# Altium PCB Motherboard_PCB_Trimmed.PcbDoc (part 1 of 5)
Units mm, origin at the board's own origin, x right, y up, seen from the top; angles counter-clockwise.
Board outline 167.96 x 167.95 mm, 6 copper layers (Top, VCC, VS, Internal, GND, Bottom), stack 1.797 mm thick; 578 components, 549 nets, 2587 pads, 1599 vias.
Unrouted connection lines stored in the file: 2.
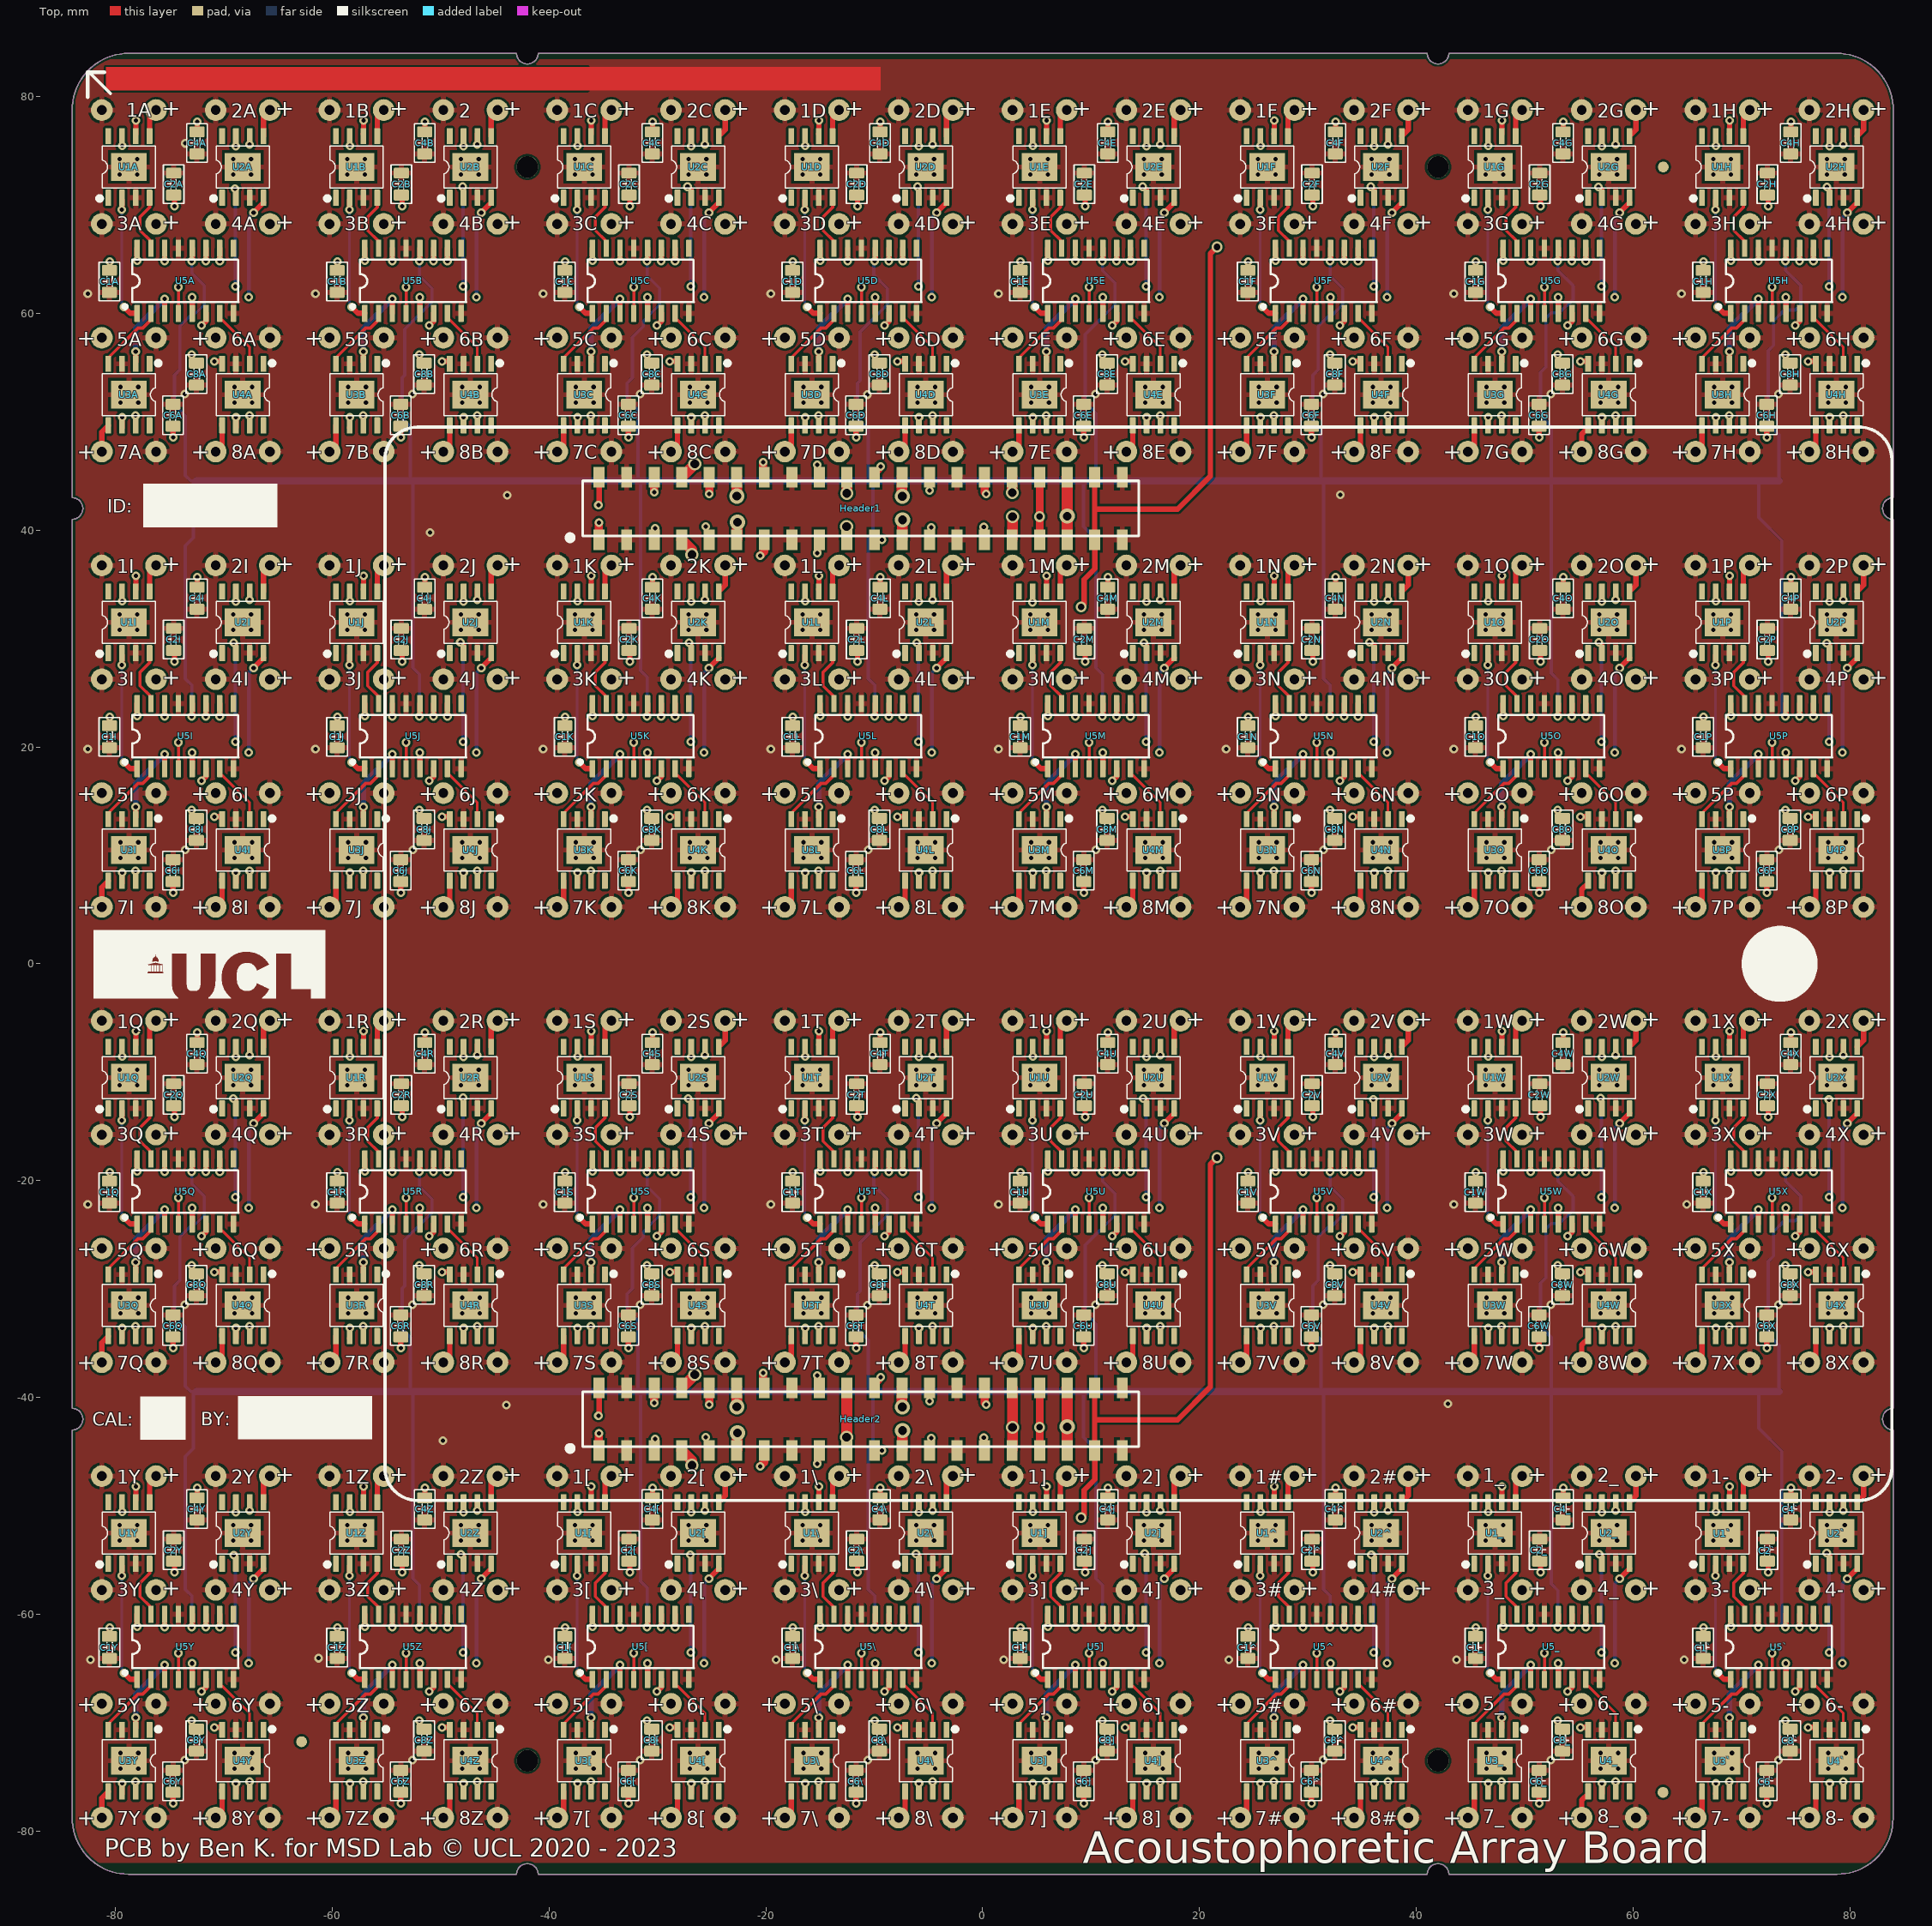
[diagram p0: Top view]
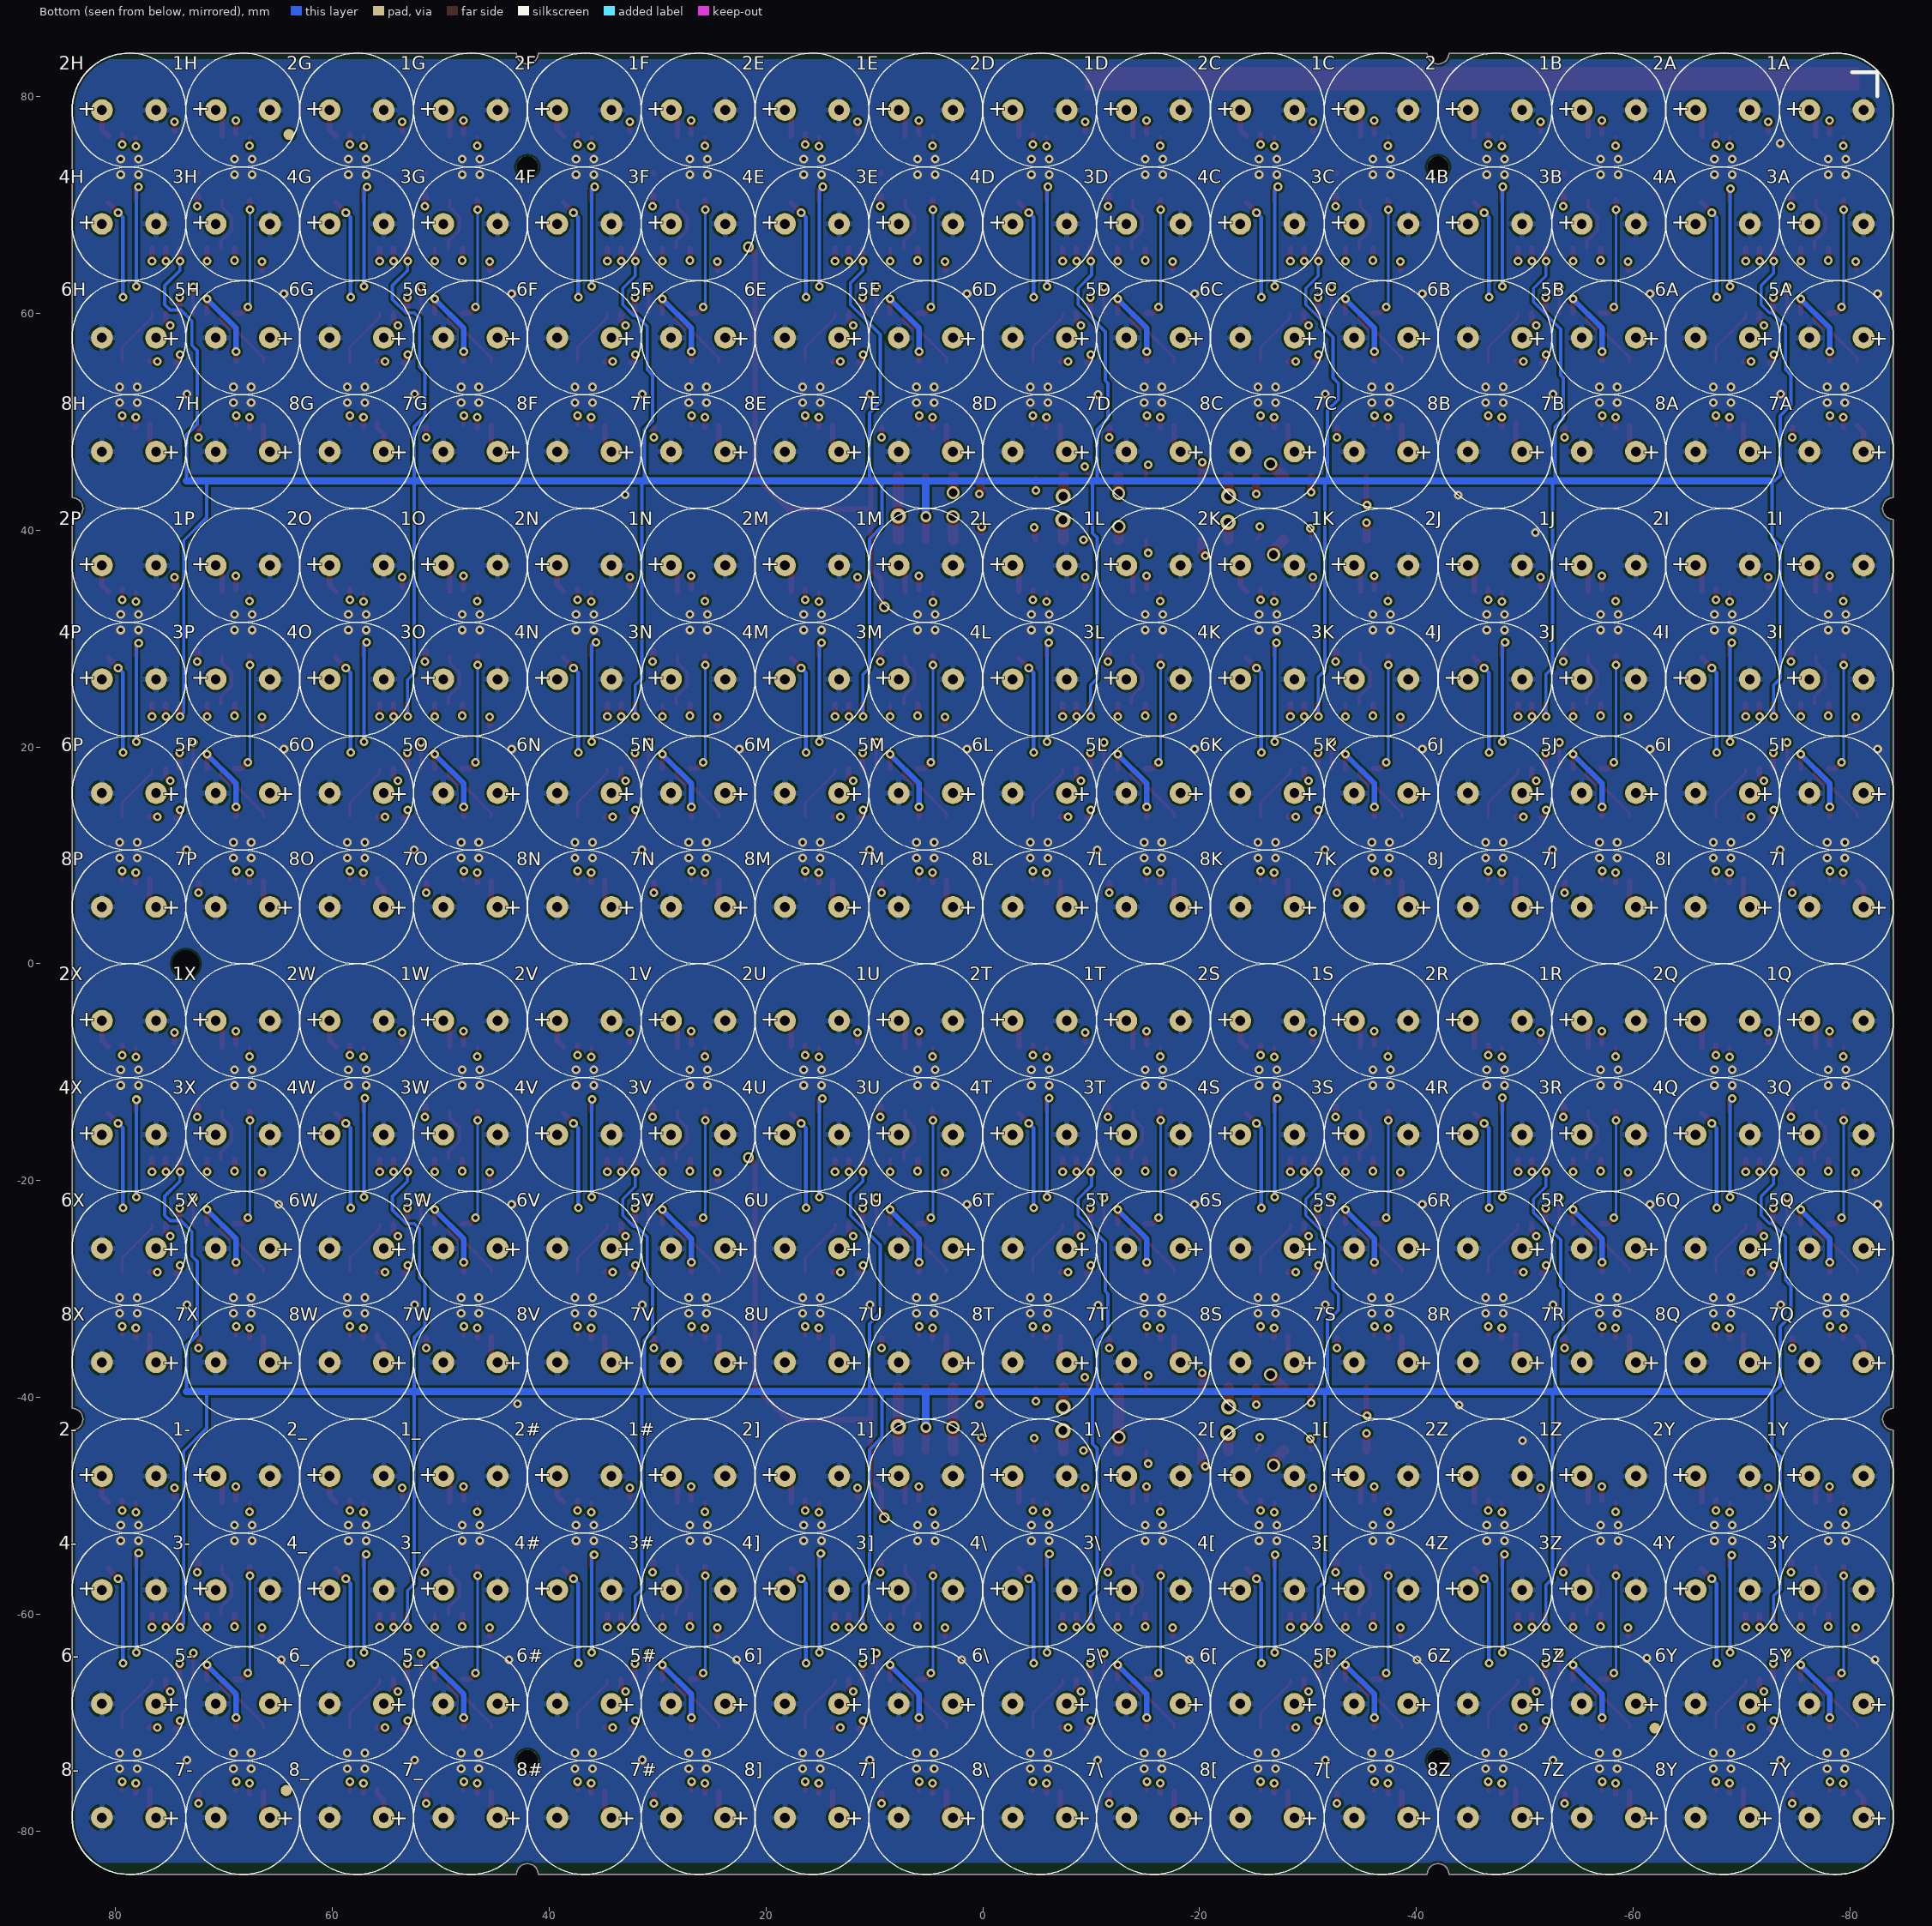
[diagram p1: Bottom view, seen from below]
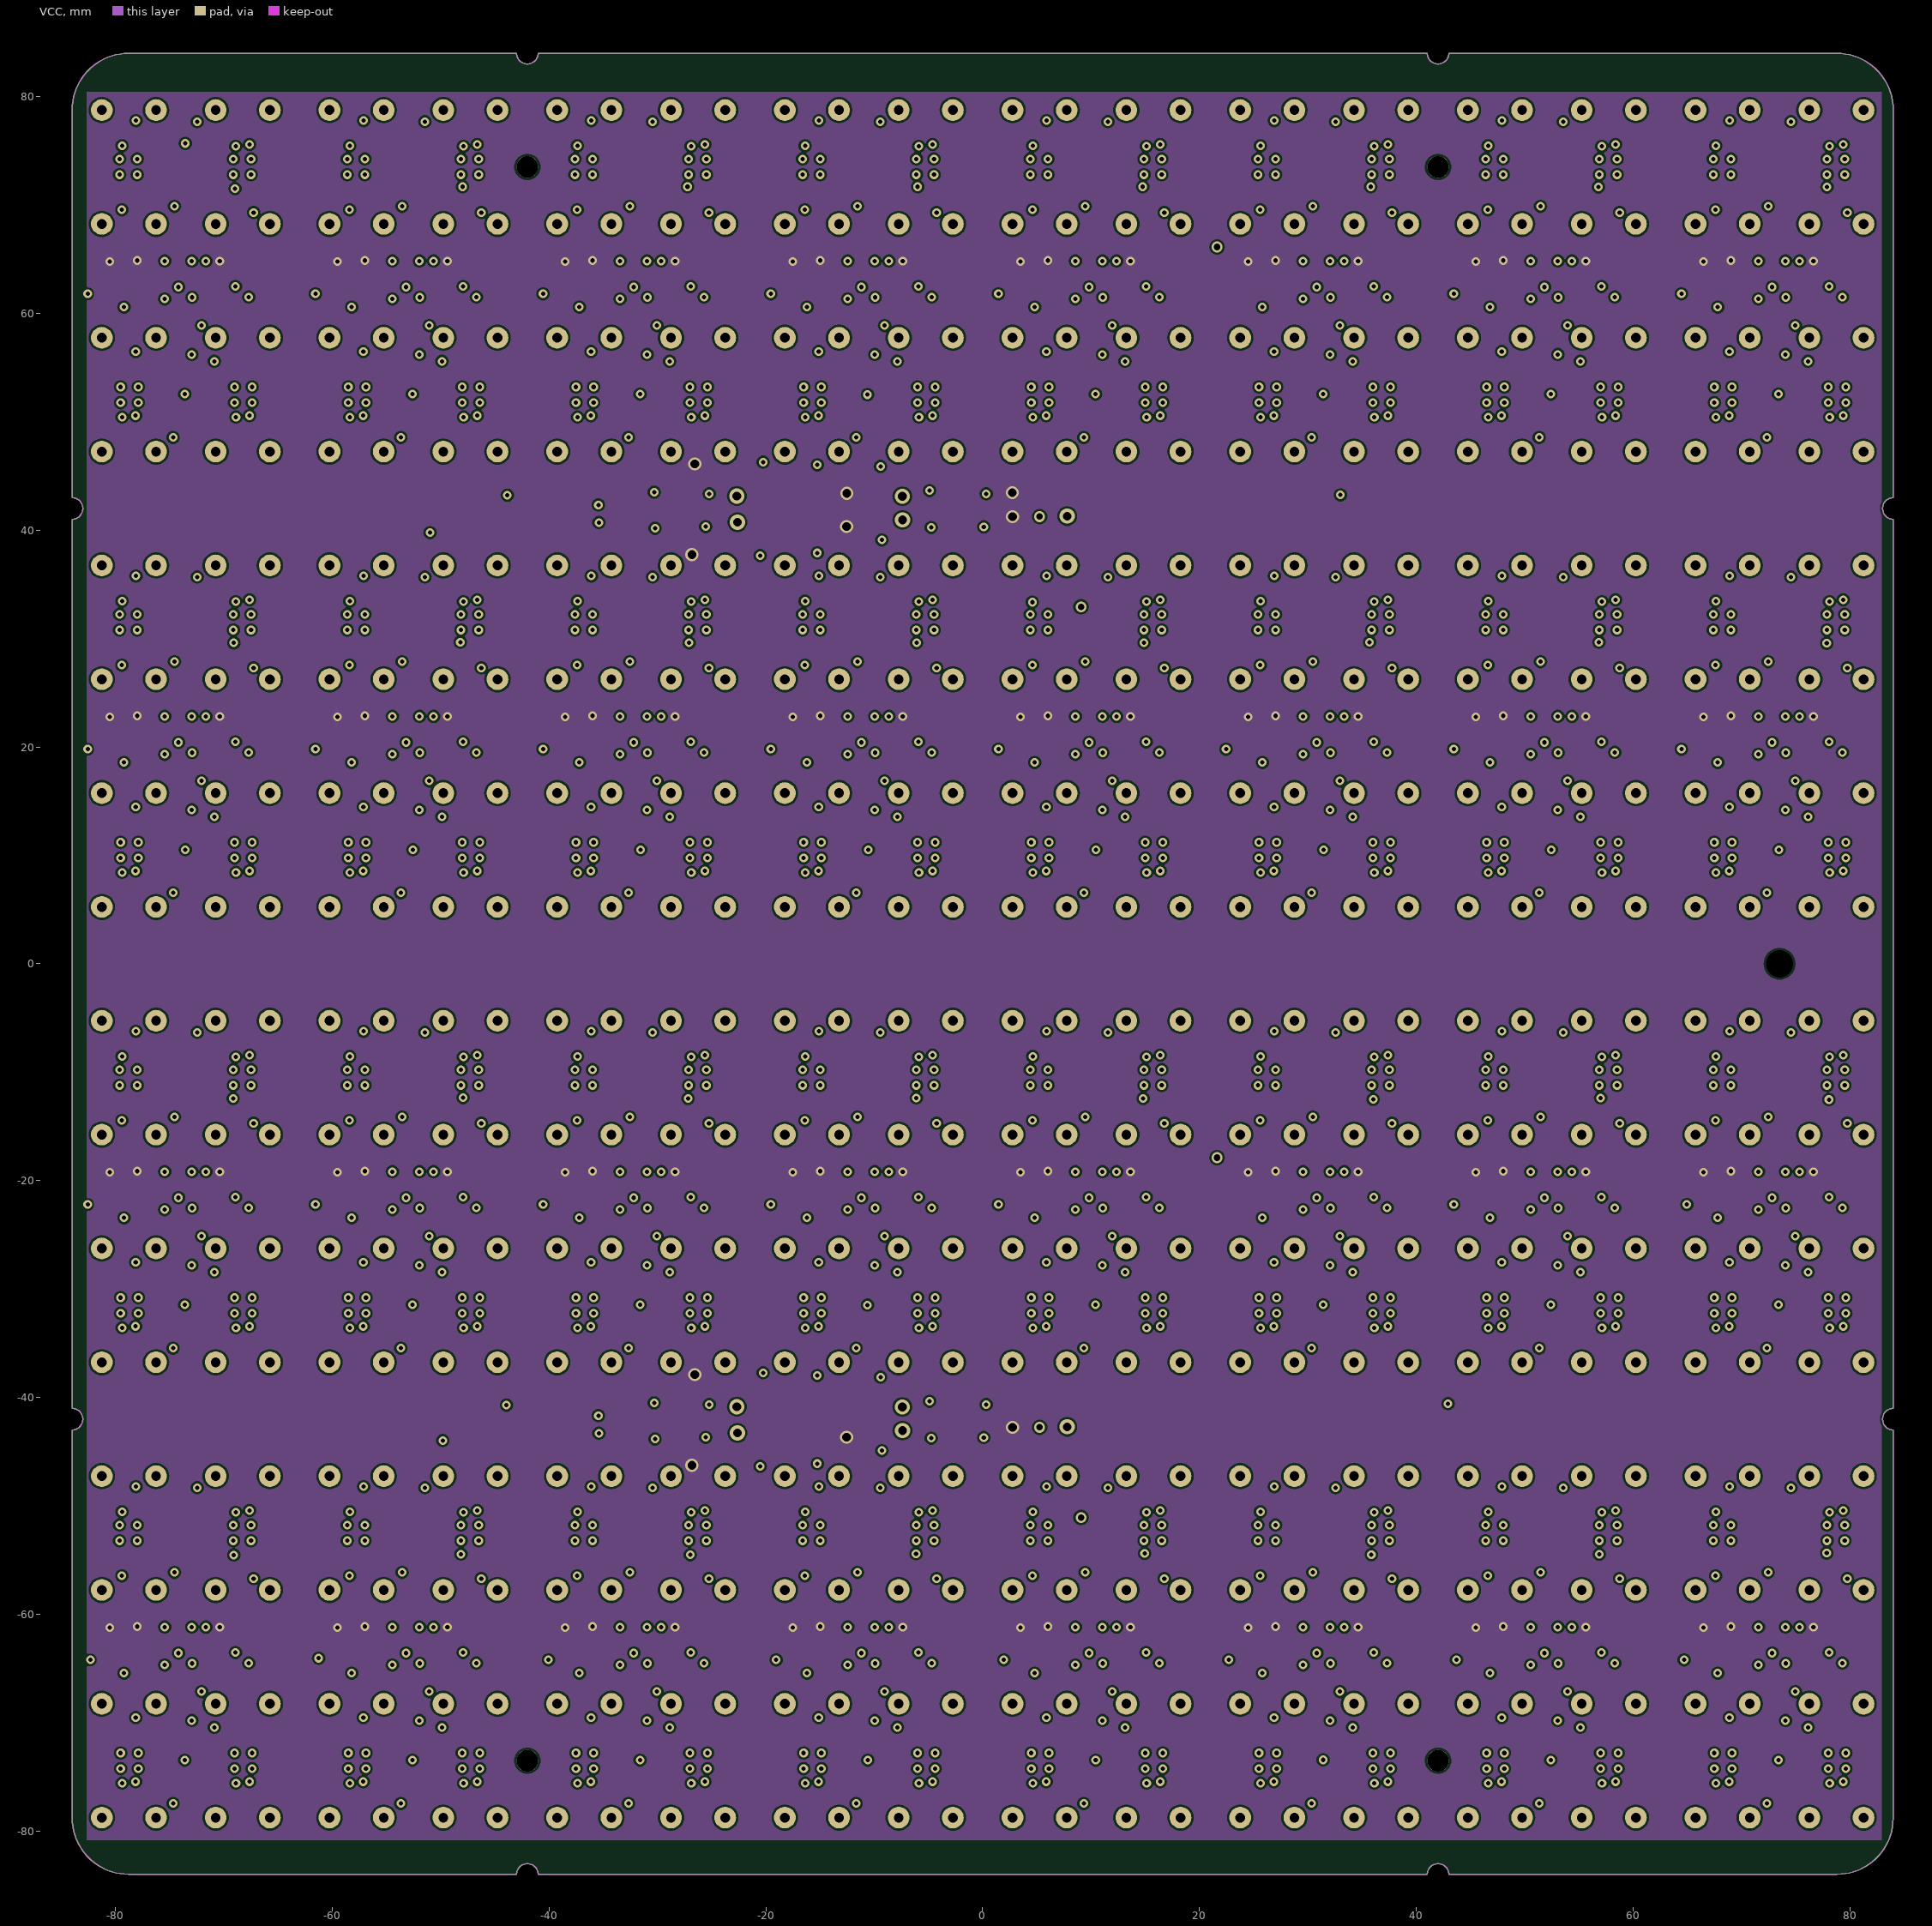
[diagram p2: VCC]
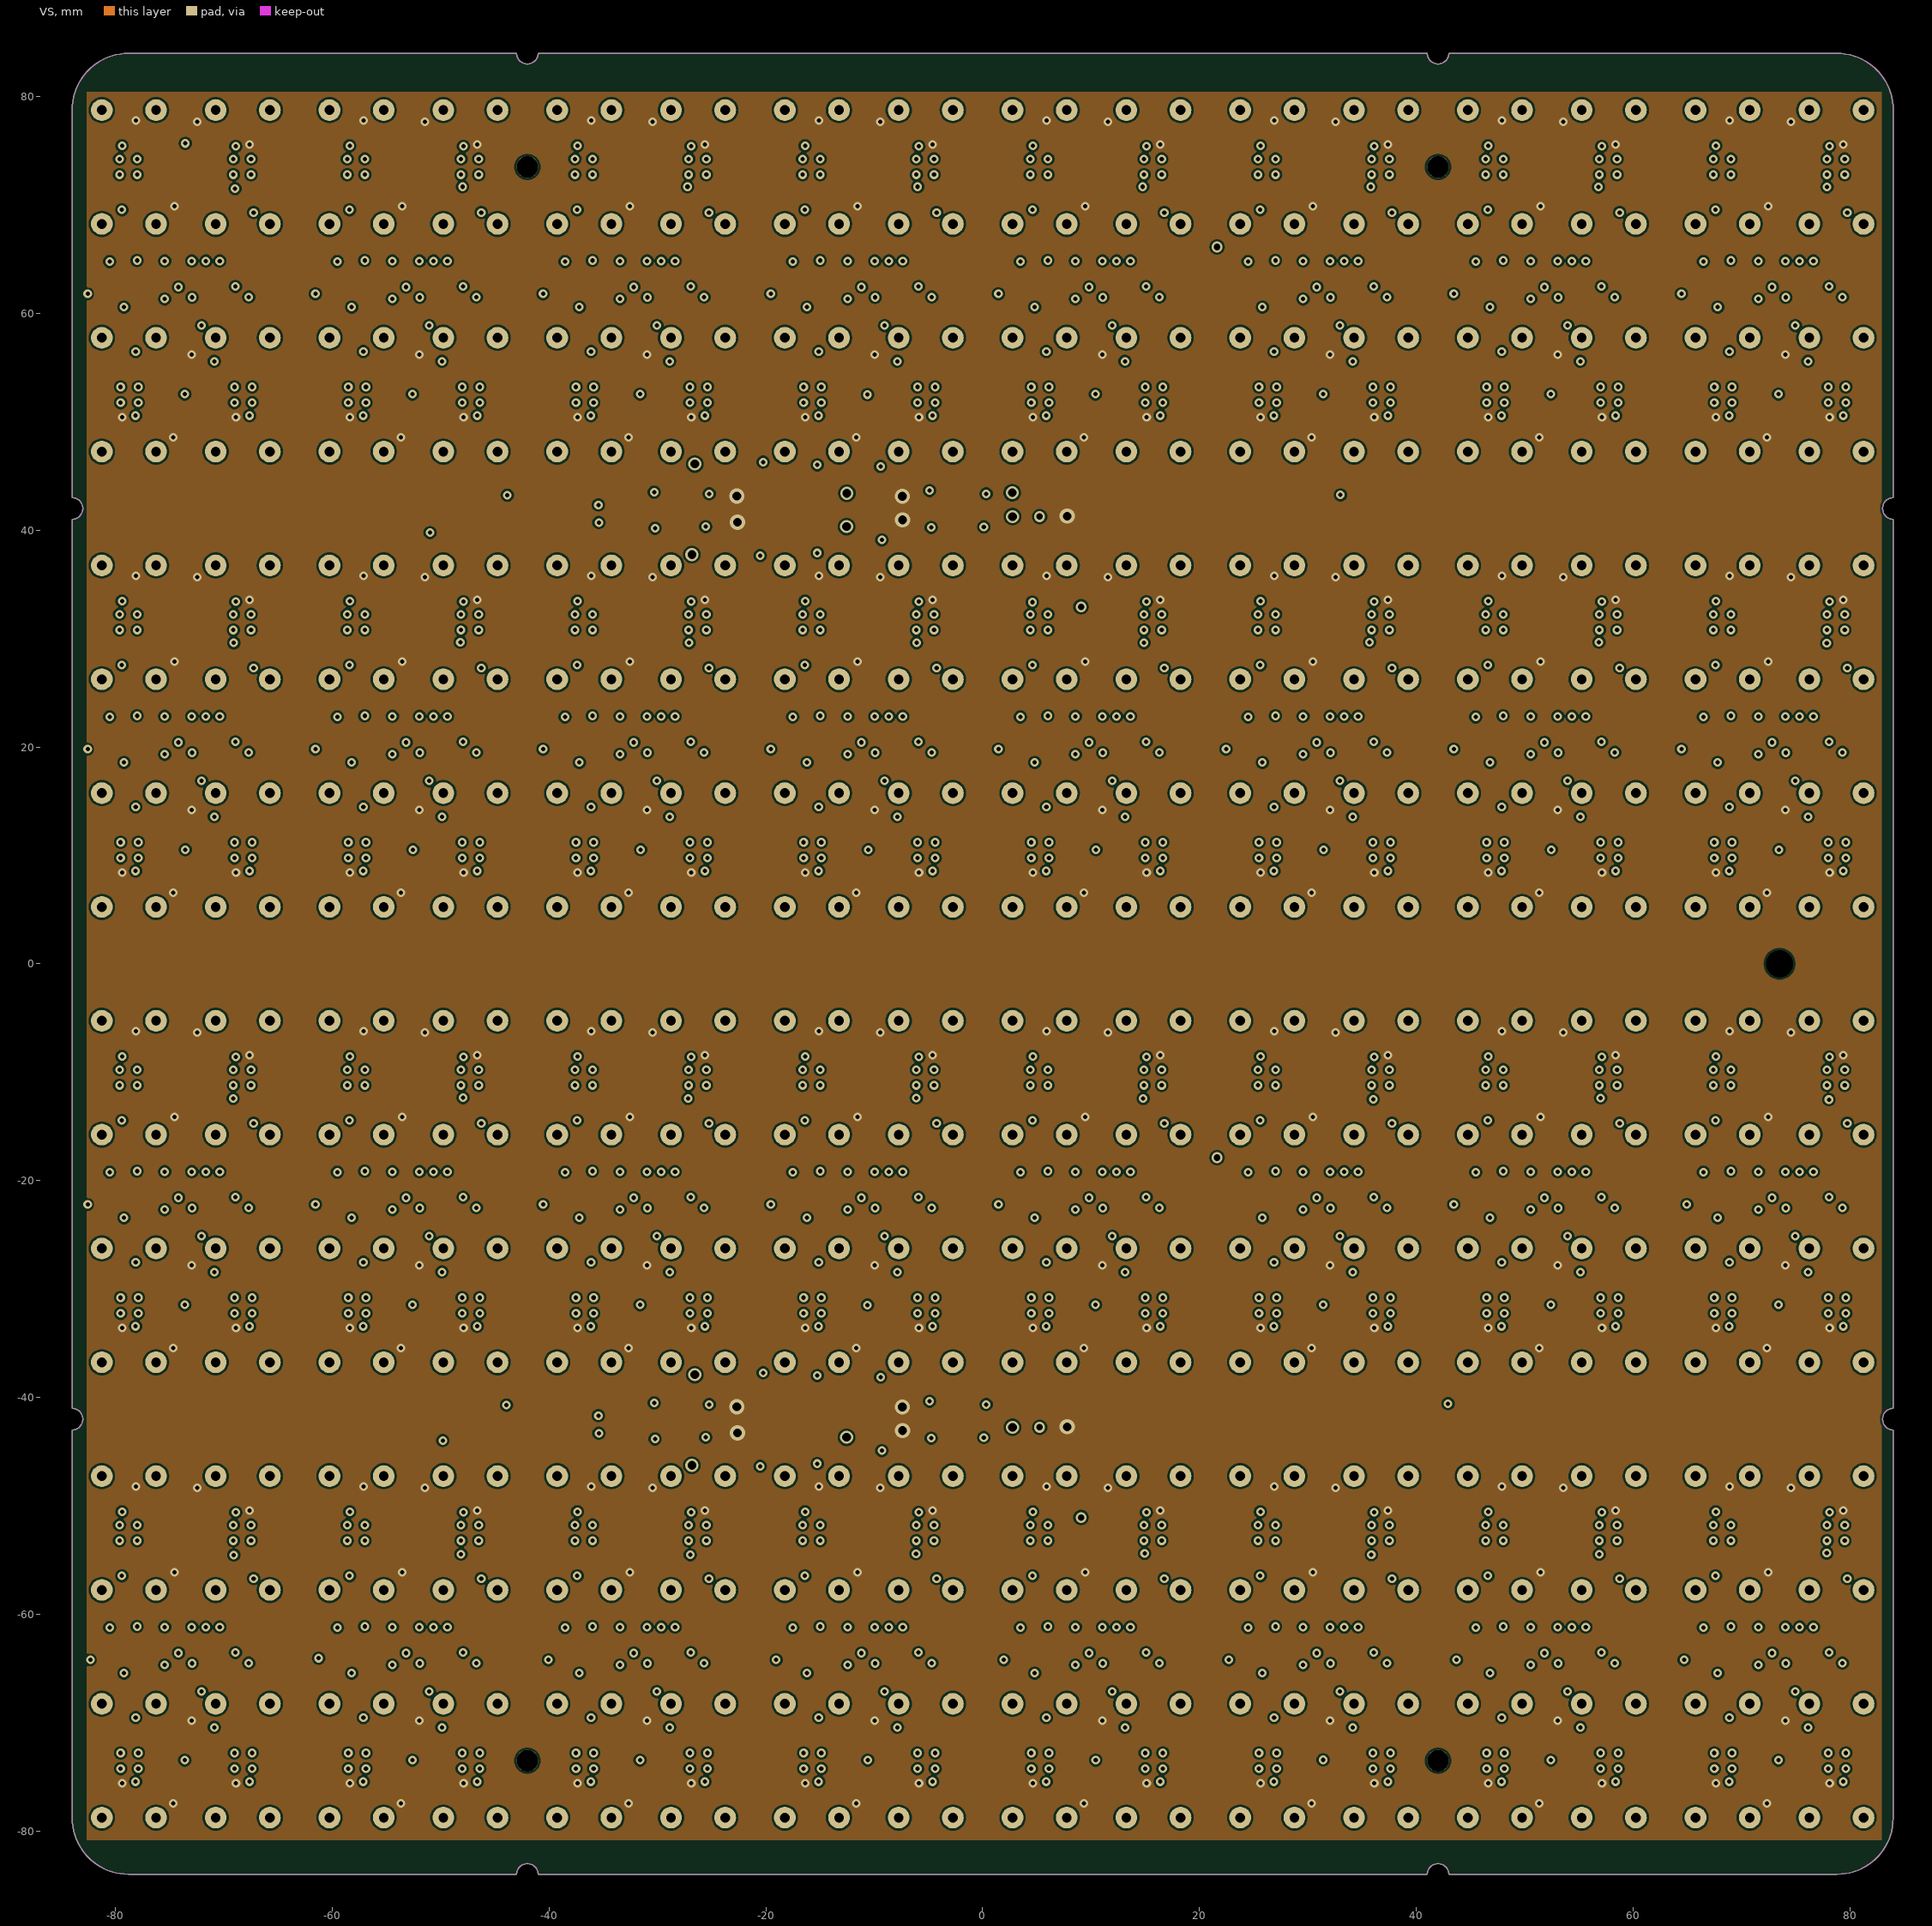
[diagram p3: VS]